# Altium PCB 2layer_PCB.PcbDoc (continued)
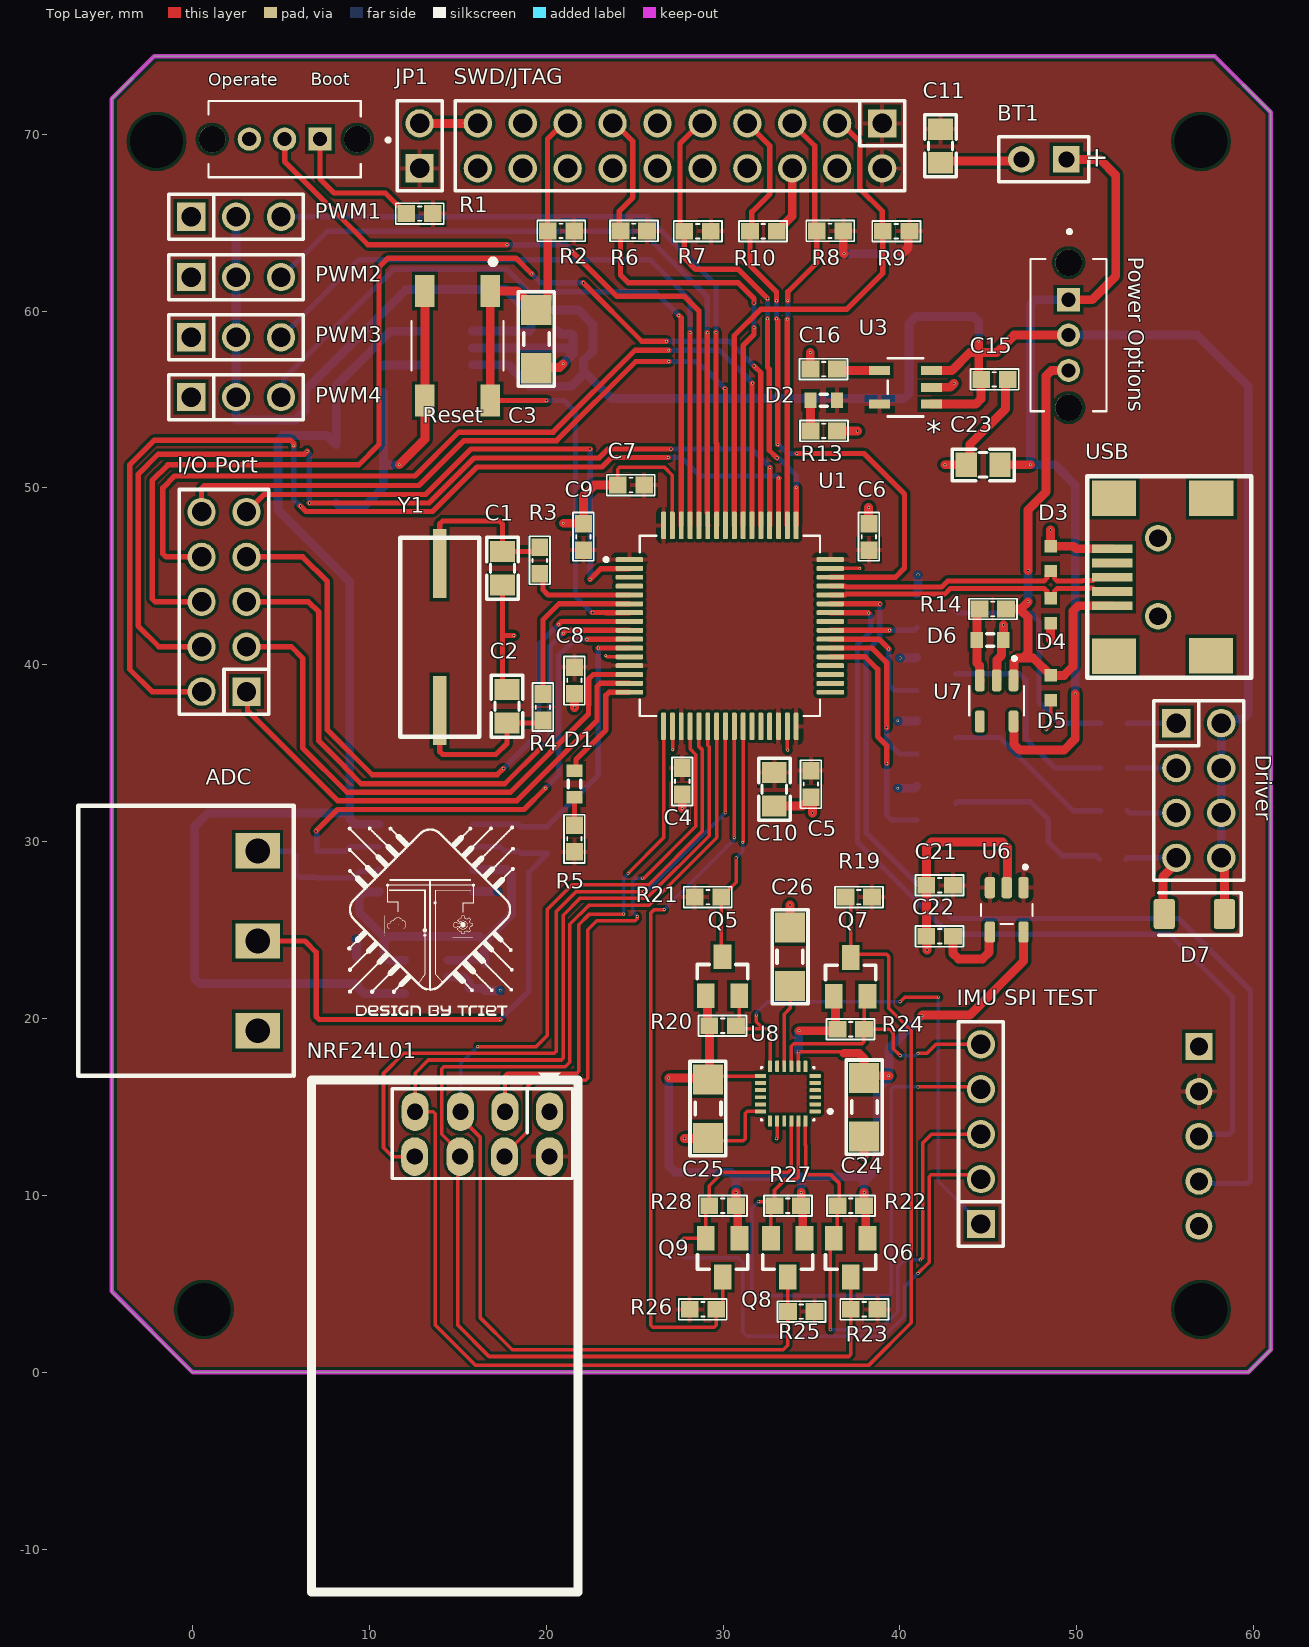
[diagram p0: Top Layer view]
## Part data
ADC: "Cắm", Chung_Loai=Cắm, Don_Vi=Con, Ma_Hang=MH000760, Ten_Linh_Kien="CON 3 2EDG5.08-3P 5.08MM ( Xanh Cong)"
Boot "Power Options": "Switch Slide ON ON SPDT Top Slide 0.1A 12VDC 10000Cycles PC Pins Thru-Hole Bulk", Package=None, Availability=Unavailable, MF="{'manufacturer': u'C&K'}", MP=OS102011MS2QN1, Price=None
BT1: "Multicell Battery", LatestRevisionDate=17-Jul-2002, LatestRevisionNote="Re-released for DXP Platform.", PackageDescription="Battery; 2 Leads", PackageReference=BAT-2, Published=24-Mar-1999, Publisher="Altium Limited"
C1 C2: library part "Tu 0805 20pF 50V 10%", "Dán", Chung_Loai=Dán, Don_Vi=Con, Ma_Hang=MH004558, So_Chan=2, Ten_Linh_Kien="Tụ 0805 20P 10% 50V"
C3 C24 C25 C26: library part "Tu 1206 104 50V 20%", "Dán", Chung_Loai=Dán, Don_Vi=Con, Ma_Hang=MH004544, So_Chan=2, Ten_Linh_Kien="Tụ 1206 104-0.1uF 20% 50V"
C4 C5 C6 C7 C8 C9: library part "Tu 0603 103 50V 10%", "Dán", Chung_Loai=Dán, Don_Vi=Con, Ma_Hang=MH004567, So_Chan=2, Ten_Linh_Kien="Tụ 0603 103-10nF 10% 50V"
C10 C11: library part "Tu 0805 225 25V 10%", "Dán", Chung_Loai=Dán, Don_Vi=Con, Ma_Hang=MH007483, So_Chan=2, Ten_Linh_Kien="Tụ 0805 225-2.2uF 25V 10%"
C12 C14: library part "Tu 0603 470pF 50V 10%", "Dán", Chung_Loai=Dán, Don_Vi=Con, Ma_Hang=MH004571, So_Chan=2, Ten_Linh_Kien="Tụ 0603 470P 50V 10%"
C13: library part "Tu 1206 105 50V 20%", "Dán", Chung_Loai=Dán, Don_Vi=Con, Ma_Hang=MH004545, So_Chan=2, Ten_Linh_Kien="Tụ 1206 105-1uF 20% 50V"
C15 C16 C17 C18 C19 C20 C21 C22: library part "Tu 0603 105 16V 20%", "Dán", Chung_Loai=Dán, Don_Vi=Con, Ma_Hang=MH004574, So_Chan=2, Ten_Linh_Kien="Tụ 0603 105-1uF 20% 16V"
C23: library part "Tu 0805 10pF 50V 10%", "Dán", Chung_Loai=Dán, Don_Vi=Con, Ma_Hang=MH004554, So_Chan=2, Ten_Linh_Kien="Tụ 0805 10P 10% 50V"
D1 D2 D6: library part Diode, "Default Diode", PackageDocument=Sep-1996, Code_JEDEC=DO-214-AB, LatestRevisionDate=17-Jul-2002, LatestRevisionNote="Re-released for DXP Platform.", PackageReference=SMC, Published=8-Jun-2000, Publisher="Altium Limited"
D3 D4 D5 U2 U6 U7: Package=None, Availability=Unavailable, Price=None
  D3 D4 D5: MF="{'manufacturer': u'TDK'}", MP=AVRL161A1R1NTA
  U2: MF="{'manufacturer': u'Texas Instruments'}", MP=OPA2335AID
  U6: MF="{'manufacturer': u'Texas Instruments'}", MP=TPS73618DBVTG4
  U7: MF="{'manufacturer': u'Analog Devices'}", MP=MAX1555EZK+
Driver: library part "JP 2x4 2.54 Duc Thang", "Cắm", Chung_Loai=Cắm, Don_Vi=Con, Ma_Hang=MH002686, Ten_Linh_Kien="Jump Đôi Đực 2.54MM 2x40P Thẳng 11MM"
"I/O Port": library part "JP 2x5 2.54 Duc Thang", "Cắm", Chung_Loai=Cắm, Don_Vi=Con, Ma_Hang=MH002686, Ten_Linh_Kien="Jump Đôi Đực 2.54MM 2x40P Thẳng 11MM"
"IMU SPI TEST": library part "JP 1x5 2.54 Duc Thang", "Cắm", Chung_Loai=Cắm, Don_Vi=Con, Ma_Hang=MH000903, Ten_Linh_Kien="Jump Đơn Đực 2.54MM 1x40P Thẳng 11MM"
JDY-18: library part "JP 1x5 2.54 Cai Cong", "Cắm", Chung_Loai=Cắm, Don_Vi=Con, Ma_Hang=MH001265, Ten_Linh_Kien="Jump Đơn Cái 2.54MM 1x40P Cong"
JP1: library part "JP 1x2 2.54 Duc Thang", "Cắm", Chung_Loai=Cắm, Don_Vi=Con, Ma_Hang=MH000903, Ten_Linh_Kien="Jump Đơn Đực 2.54MM 1x40P Thẳng 11MM"
PWM1 PWM2 PWM3 PWM4: library part "JP 1x3 2.54 Duc Thang", "Cắm", Chung_Loai=Cắm, Don_Vi=Con, Ma_Hang=MH000903, Ten_Linh_Kien="Jump Đơn Đực 2.54MM 1x40P Thẳng 11MM"
Q1 Q2 Q3 Q4 Q5 Q6 Q7 Q8 Q9: "<b>N-Channel MOSFET</b>    <a href=\"https://pricing.snapeda.com/parts/SI2312/Micro%20Commercial%20Components/view-part?ref=eda\">Check availability</a> <a href=\"https://pricing.snapeda.com/parts/SI2312/Micro%20Commercial%20Components/view-part?ref=eda\">Check availability</a>", Package=None, Availability=Unavailable, MF="{'manufacturer': u'Micro Commercial Components'}", MP=SI2312-TP, Price=None
R1 R2: library part "Tro 0603 1% 10k", "Dán", Chung_Loai=Dán, Don_Vi=Con, Ma_Hang=MH006333, So_Chan=2, Ten_Linh_Kien="Trở 0603 1% 10k"
R3 R4: library part "Tro 0603 1% 0R", "Dán", Chung_Loai=Dán, Don_Vi=Con, Ma_Hang=MH005792, So_Chan=2, Ten_Linh_Kien="Trở 0603 1% 0R"
R5 R14: library part "Tro 0603 1% 1k", "Dán", Chung_Loai=Dán, Don_Vi=Con, Ma_Hang=MH006334, So_Chan=2, Ten_Linh_Kien="Trở 0603 1% 1k"
R6 R7 R8 R9 R10: library part "Tro 0603 5% 4.7k", "Dán", Chung_Loai=Dán, Don_Vi=Con, Ma_Hang=MH006327, So_Chan=2, Ten_Linh_Kien="Trở 0603 5% 4.7k"
R11 R12: library part "Tro 0603 1% 3.9k", "Dán", Chung_Loai=Dán, Don_Vi=Con, Ma_Hang=MH005793, So_Chan=2, Ten_Linh_Kien="Trở 0603 1% 3.9k"
R13: library part "Tro 0603 5% 1k", "Dán", Chung_Loai=Dán, Don_Vi=Con, Ma_Hang=MH006319, So_Chan=2, Ten_Linh_Kien="Trở 0603 5% 1k"
R15 R16 R17 R18: library part "Tro 0603 5% 220R", "Dán", Chung_Loai=Dán, Don_Vi=Con, Ma_Hang=MH006322, So_Chan=2, Ten_Linh_Kien="Trở 0603 5% 220R"
R19 R20 R21 R22 R23 R24 R25 R26 R27 R28: library part "Tro 0603 5% 2.2k", "Dán", Chung_Loai=Dán, Don_Vi=Con, Ma_Hang=MH006321, So_Chan=2, Ten_Linh_Kien="Trở 0603 5% 2.2k"
Reset: "Switch Tactile N.O. SPST Button Gull Wing 0.05A 12VDC 0.98N SMD T/R", Package=None, Availability=Unavailable, MF="{'manufacturer': u'ALPS'}", MP=SKQGAFE010, Price=None
SWD/JTAG: library part "JP 2x10 2.54 Duc Thang", "Cắm", Chung_Loai=Cắm, Don_Vi=Con, Ma_Hang=MH002686, Ten_Linh_Kien="Jump Đôi Đực 2.54MM 2x40P Thẳng 11MM"
U1: "MCU 32-Bit STM32 ARM Cortex M4 RISC 512KB Flash 2.5V/3.3V 64-Pin LQFP Tray", Package=None, Availability=Unavailable, MF="{'manufacturer': u'STMicroelectronics'}", MP=STM32F446RET6, Price=None
U3 U5: "No Description Available", Mfr_Name="Texas Instruments", RefDes=RefDes, Type=Type
U4: "Micropower, 400mV Reference with Rail-to-Rail Buffer Amplifier", Package=None, Availability=Unavailable, MF="{'manufacturer': u'Analog Devices'}", MP=LT6650IS5#TRPBF, Price=None
U8: "Accelerometer, Gyroscope, Magnetometer, 9 Axis Sensor IÂ²C, SPI Output", Package=None, Availability=Unavailable, MF="{'manufacturer': u'TDK InvenSense'}", MP=ICM-20948, Price=None
Y1: library part "Crystal 16MHz 20pF 2-Pin", "Crystal 16MHz 20pF 2-Pin HC-49/SD", Package="HC49/US Fox", Digi-Key_Part_Number=631-1017-2-ND, Digi-Key_Purchase_URL=https://www.digikey.tw/product-detail/en/fox-electronics/FC4SDCBMF16.0-T1/631-1017-2-ND/1024609?utm_source=snapeda&utm_medium=aggregator&utm_campaign=symbol, MF=Fox, MP=FOXSDLF/160-20, SnapEDA_Link=https://www.snapeda.com/parts/FOXSDLF/160-20/Fox%20Electronics/view-part/?ref=snap
D7: Datasheet=https://diotec.com/de/produktliste/SBD.html, ki_description="Schottky Diode", ki_keywords=Schottky, Reference=D

## Free pads (board coordinates)
  round 1.524 hole 3: 3(57.023,69.596) 4(57.023,3.556) 5(0.635,3.556) 6(-2.032,69.596)

## Via types
v1: diameter 0.15, hole 0.1, Top Layer to Bottom Layer, 122 vias

## Nets (pads, with @x,y where several pads share a name; then routed paths per layer and width w, separated by ;. In a path a pad name is that pad's centre, name@x,y a point inside that pad or via, vN(x,y) a via of type N, cw(c..) or ccw(c..) an arc to the next point about the centre after c; other vN are vias at no path point)
0.4V: C18.1 U2.3 U2.5 U4.1 U4.5 | length 22.5
  Bottom Layer w0.5: U2.5 10.51,27.15 9.719,27.15 9.426,26.857 9.426,26.007 10.795,24.638 11.107,24.638 ; U4.5 11.985,23.296 11.107,23.296 10.814,23.589 10.814,24.345 11.107,24.638 ; U4.1 14.431,23.296 15.422,23.296 15.494,23.368 16.244,23.368 16.26,23.352 16.285,23.352 C18.1@16.51,23.127 ; U2.3 15.905,28.421 17.741,28.421 18.034,28.128 18.034,25.869 16.51,24.345 ; C18.1 C18.1@16.51,23.127 ; 11.107,24.638 16.217,24.638 16.51,24.345 ; C18.1@16.51,23.127 16.51,24.345
+1.8V: C24.1 C25.1 Q5.1 Q6.1 Q7.1 Q8.1 Q9.1 R20.2 R22.2 R24.2 R27.2 R28.2 U6.5 U8.8 U8.13 | length 69.1
  Top Layer w0.2: C25.1 29.222,16.635 29.335,16.748 U8.13 ; U8.8 v1(34.255,18.129) 36.735,18.129 36.83,18.034
  Top Layer w0.5: v1(26.924,16.637) 29.061,16.637 C25.1 ; Q5.1 29.119,21.189 29.119,19.696 R20.2 C25.1@29.222,16.635 ; v1(30.734,10.16) 30.734,9.425 R28.2 30.822,9.313 30.822,7.68 Q9.1 ; v1(34.29,19.304) 36.376,19.304 R24.2 36.361,19.489 36.361,21.152 Q7.1 ; v1(34.417,10.16) 34.417,9.425 R27.2 34.505,9.313 34.505,7.68 Q8.1 ; 36.83,18.034 37.68,18.034 37.973,17.741 C24.1 38.101,16.764 v1(39.37,16.764) ; v1(37.973,10.16) 37.973,9.425 R22.2 38.061,9.313 38.061,7.68 Q6.1 ; v1(41.243,20.161) 41.275,20.193 43.942,20.193 46.985,23.236 U6.5
  Bottom Layer w0.5: v1(26.924,16.637) 26.924,11.684 27.305,11.303 30.441,11.303 30.734,11.01 ; v1(30.734,10.16) 30.734,11.049 34.124,11.049 ; v1(34.255,18.129) 34.255,19.269 v1(34.29,19.304) ; v1(34.417,10.16) 34.417,10.756 34.124,11.049 ; v1(37.973,10.16) 37.973,10.795 ; v1@41.243,20.161 39.37,18.288 39.37,16.631 38.735,15.996 38.735,11.557 37.973,10.795 ; 34.124,11.049 37.973,11.049 37.973,10.795
+3.3V_STM32: C4.1 C5.1 C6.1 C7.1 C8.1 C9.1 C10.1 C11.1 C21.1 D2.1 JDY-18.2 JP1.1 NRF24L01.2 R1.2 R2.2 R5.2 R6.2 R7.2 R8.2 R9.2 R19.2 R21.2 R23.2 R25.2 R26.2 SWD/JTAG.1 SWD/JTAG.20 U1.1 U1.13 U1.19 U1.30 U1.32 U1.48 U1.64 U3.5 U6.1 U6.3 | length 6
  Top Layer w0.5: R8.2 36.795,63.281 v1(36.83,63.246) ; v1(40.132,63.246) 40.47,63.584 40.47,64.453 R9.2
  Bottom Layer w0.5: v1(36.83,63.246) v1(40.132,63.246)
+5V: "Power Options.2" C15.1 C19.1 D7.K Driver.5 Driver.6 Driver.7 Driver.8 PWM1.2 PWM2.2 PWM3.2 PWM4.2 U3.1 U3.3 U5.1 U5.3 | length 136.5
  Top Layer w0.5: U3.1 44.284,54.737 44.577,55.03 44.577,56.122 C15.1 44.45,56.273 44.45,57.658 ; U3.3 42.921,56.637 43.942,57.658 44.45,57.658 ; v1(44.45,58.293) 44.45,57.658 ; 49.53,58.642 46.45,58.642 45.466,57.658 44.45,57.658 ; Driver.5 58.342,28.907 D7.K
  Bottom Layer w0.5: PWM1.2 PWM2.2 PWM3.2 PWM4.2 2.452,55.129 2.452,53.848 5.842,53.848 6.35,54.356 6.35,55.499 12.065,61.214 17.702,61.214 19.138,59.778 ; U5.3 17.841,56.962 19.05,55.753 21.424,55.753 22.098,56.427 22.098,57.207 22.632,57.742 22.632,59.244 21.805,60.071 19.431,60.071 19.138,59.778 ; U5.1 15.822,58.866 19.047,58.866 C19.1 19.138,58.957 19.138,59.778 ; 22.098,56.642 23.692,55.048 40.22,55.048 40.513,55.341 40.513,59.309 40.894,59.69 44.157,59.69 44.45,59.397 v1(44.45,58.293) ; 49.53,58.642 56.801,58.642 59.69,55.753 59.69,37.25 59.359,36.918 58.381,36.918 Driver.8 Driver.7 Driver.6 Driver.5
+AVCC: C13.1 C17.1 U2.8 U4.4 U5.5 | length 67.8
  Bottom Layer w0.5: U2.8 9.183,30.988 8.89,31.281 8.89,31.623 ; U4.4 9.691,21.412 9.398,21.705 9.398,21.856 C17.1 9.259,21.971 0.42,21.971 0.127,22.264 0.127,30.861 0.889,31.623 8.89,31.623 ; U5.5 11.181,58.862 10.143,57.824 8.128,55.809 C13.1 7.619,52.959 5.119,52.959 4.826,52.666 4.826,48.768 8.89,44.704 8.89,31.623
+V_Bat: "Power Options.1" BT1.1 C23.1 U7.5 | length 47.7
  Top Layer w0.5: C23.1 45.653,51.308 v1(47.371,51.308) ; U7.5 46.441,36.771 46.441,35.513 46.775,35.179 49.276,35.179 49.911,35.814 v1(49.911,38.354) ; BT1.1 51.308,68.58 52.197,67.691 52.197,61.976 50.863,60.642 49.53,60.642
  Bottom Layer w0.5: 49.53,60.642 47.664,60.642 47.371,60.349 v1(47.371,51.308) 48.768,51.308 49.911,50.165 v1(49.911,38.354)
+V_USB: "Power Options.3" D5.1 R14.2 U7.1 USB.1 | length 29.6
  Top Layer w0.5: R14.2 46.839,43.156 v1(47.244,43.561) ; U7.1 46.441,39.141 46.441,40.179 46.648,40.386 46.951,40.386 ; 46.863,43.053 47.244,42.672 47.244,40.679 46.951,40.386 ; v1(47.244,45.339) 47.244,48.768 48.26,49.784 48.26,56.341 48.553,56.634 49.522,56.634 49.53,56.642 ; USB.1 50.077,43.343 49.784,43.05 49.784,39.913 49.275,39.403 D5.1 47.531,40.386 46.951,40.386
  Bottom Layer w0.5: v1(47.244,43.561) v1(47.244,45.339)
Boot: Boot.2 U1.60 | length 40.3
  Top Layer w0.3: Boot.2 5.207,68.453 9.906,63.754 v1(17.78,63.754) ; v1(21.463,63.373) 24.003,60.833 27.813,60.833 28.631,60.015 U1.60
  Bottom Layer w0.3: v1(17.78,63.754) 21.082,63.754 v1(21.463,63.373)
GND: ADC.1 Boot.3 BT1.2 C1.2 C2.2 C3.2 C4.2 C5.2 C6.2 C7.2 C8.2 C9.2 C10.2 C11.2 C13.2 C15.2 C16.2 C17.2 C18.2 C19.2 C20.2 C21.2 C22.2 C23.2 C24.2 C25.2 C26.2 D3.2 D4.2 D5.2 D6.2 JDY-18.1 NRF24L01.1 pad.3 pad.4 pad.5 pad.6 PWM1.1 PWM2.1 PWM3.1 PWM4.1 Q1.2 Q2.2 Q3.2 Q4.2 R10.1 R13.2 Reset.3 Reset.4 SWD/JTAG.11 SWD/JTAG.12 SWD/JTAG.13 SWD/JTAG.14 SWD/JTAG.15 SWD/JTAG.16 SWD/JTAG.17 SWD/JTAG.18 SWD/JTAG.19 U1.12 U1.18 U1.31 U1.47 U1.63 U2.4 U3.2 U4.2 U5.2 U6.2 U7.2 U8.18 U8.20 USB.5 | length 122.2
  Top Layer w0.2: v1(23.368,40.513) 23.432,40.449 U1.12 ; C7.2 24.037,51.064 24.154,51.181 26.67,51.181 27.131,50.72 U1.63 ; U1.18 27.156,36.494 v1(27.156,35.201) ; C25.2 29.317,13.081 31.125,13.081 31.242,13.198 31.242,14.631 31.359,14.748 U8.18 ; v1(33.02,13.208) 33.055,13.243 U8.20 ; U1.31 33.631,35.203 v1(33.655,35.179) ; U1.47 36.064,45.446 37.706,45.446 v1(37.72,45.46) ; v1(48.26,36.322) 48.514,36.576 D5.2
  Top Layer w0.3: C1.2 17.523,41.656 ; C2.2 17.523,38.865 17.523,41.656 ; v1(18.161,41.656) 17.523,41.656
  Top Layer w0.5: v1(11.684,51.308) 13.136,52.76 Reset.4 Reset.3 ; C3.2 19.468,56.806 20.738,56.806 v1(20.955,57.023) ; v1(20.955,48.006) 22.074,48.006 C9.2 22.098,49.53 22.733,50.165 C7.2 ; v1(21.59,37.592) C8.2 ; v1(27.686,31.877) C4.2 ; v1(27.813,13.208) 29.095,13.208 C25.2 ; C10.2 34.483,32.009 34.961,32.487 C5.2 35.052,32.421 v1(35.052,31.623) ; R10.1 33.048,64.516 33.909,65.377 SWD/JTAG.18 ; C26.2 v1(33.782,26.416) ; v1(34.925,57.658) 34.925,56.733 C16.2 ; R13.2 37.582,53.223 v1(37.592,53.213) ; v1(37.973,12.192) C24.2 ; v1(38.227,48.895) 38.227,47.999 C6.2 ; v1(41.529,23.876) 41.529,24.611 C22.2 C21.2 41.493,29.679 41.786,29.972 45.787,29.972 46.08,29.679 46.08,27.447 U6.2 ; U3.2 41.787,55.691 42.834,55.691 v1(43.058,55.916) ; C11.2 42.384,68.484 46.767,68.484 BT1.2 ; v1(42.545,51.308) 42.548,51.311 C23.2 43.956,51.518 43.956,52.465 45.974,54.483 45.974,56.019 C15.2 ; U7.2 45.491,39.141 45.491,40.284 45.747,40.54 45.747,41.302 D6.2 v1(45.847,42.253) ; D4.2 48.514,41.424 v1(48.536,41.402) ; v1(48.514,47.625) D3.2 49.816,46.704 49.957,46.563 USB.5
  Bottom Layer w0.5: C13.2 8.256,49.022 9.779,49.022 10.795,50.038 10.795,51.308 ; C17.2 v1(9.271,24.511) ; C20.2 10.795,51.308 ; v1(11.684,51.308) 10.795,51.308 ; U4.2 15.328,22.352 15.621,22.059 15.621,21.713 16.399,21.713 C18.2 16.522,21.59 v1(17.399,21.59) ; U5.2 21.185,57.912 21.514,57.582 ; U2.4 v1(17.272,27.178) ; C19.2 20.803,58.707 21.424,58.707 21.514,58.617 21.514,57.582 ; v1(20.955,57.023) 21.514,57.582 ; v1(39.878,33.02) 40.842,33.02 Q3.2 ; v1(39.878,36.83) 40.936,36.83 Q4.2 ; v1(40.005,40.386) 40.89,40.386 Q2.2 ; Q1.2 41.021,44.078 v1(41.021,45.085)
IMU_CS: Q9.3 R26.1 U1.25 | length 42.8
  Top Layer w0.2: v1(26.67,26.162) 26.104,26.162 25.908,25.966 25.908,2.657 26.025,2.54 29.495,2.54 29.612,2.657 R26.1 29.972,3.916 Q9.3 ; v1(30.631,30.228) U1.25
  Bottom Layer w0.2: v1(26.67,26.162) 30.631,30.123 v1(30.631,30.228)
IMU_INT: Q5.3 R21.1 U1.26 | length 13.6
  Top Layer w0.2: Q5.3 29.893,23.565 R21.1 29.918,26.865 30.293,27.24 30.293,27.265 30.734,27.706 v1(30.734,29.083) ; v1(31.115,29.972) 31.131,29.988 U1.26
  Bottom Layer w0.2: v1(30.734,29.083) 31.115,29.464 v1(31.115,29.972)
IMU_MISO: "IMU SPI TEST.5" Q7.2 R24.1 U8.9 | length 16.2
  Top Layer w0.2: U8.9 33.855,18.425 33.992,18.562 37.844,18.562 37.961,18.679 R24.1 ; Q7.2@38.161,21.052 Q7.2 37.973,21.064 37.973,19.401 R24.1 ; v1(40.005,17.907) 39.624,18.288 39.624,19.177 39.412,19.389 R24.1 ; v1(41.021,18.034) 41.529,18.034 42.037,18.542 44.577,18.542
  Bottom Layer w0.2: v1(40.005,17.907) 40.894,17.907 v1(41.021,18.034)
IMU_MOSI: "IMU SPI TEST.3" Q6.2 R22.1 U8.24 | length 31.9
  Top Layer w0.2: U8.24 34.655,12.843 34.671,12.827 34.671,11.293 34.788,11.176 36.068,11.176 36.576,10.668 36.576,9.528 R22.1 36.461,7.78 Q6.2 36.068,7.387 v1(36.068,2.413) ; v1(41.148,6.35) 41.275,6.477 41.275,12.954 41.783,13.462 44.577,13.462
  Bottom Layer w0.2: v1(36.068,2.413) 38.862,2.413 39.878,3.429 39.878,5.969 40.259,6.35 v1(41.148,6.35)
IMU_SCK: "IMU SPI TEST.4" Q8.2 R27.1 U8.23 | length 38.7
  Top Layer w0.2: v1(32.004,9.652) 32.505,9.652 32.805,9.352 R27.1@32.805,9.313 ; Q8.2@32.512,7.681 32.705,7.874 32.705,9.213 R27.1@32.805,9.313 ; U8.23 34.255,11.039 34.138,10.922 33.528,10.922 32.905,10.299 R27.1 R27.1@32.805,9.313 ; v1(41.021,16.129) 44.45,16.129 44.577,16.002
  Bottom Layer w0.2: v1(32.004,9.652) 31.623,9.271 31.623,4.435 31.74,4.318 39.38,4.318 39.497,4.435 39.497,16.012 39.614,16.129 v1(41.021,16.129)
INPUT_1: ADC.3 C14.2 R12.1 U2.6 | length 8.3
  Bottom Layer w0.3: ADC.3 3.696,29.464 5.588,29.464 5.842,29.21 5.842,28.164 6.018,27.989 7.005,27.989 7.054,27.94 R12.1 9.095,27.94 9.271,28.116 9.271,28.145 9.447,28.321 10.411,28.321 U2.6
INPUT_2: ADC.2 C12.2 R11.1 U2.2 | length 32.5
  Top Layer w0.3: ADC.2 6.35,24.384 6.985,23.749 6.985,20.115 7.161,19.939 v1(17.399,19.939)
  Bottom Layer w0.3: U2.2 17.399,29.718 17.653,29.464 18.427,29.464 C12.2 R11.1 20.066,29.324 19.014,28.272 19.014,21.554 v1(17.399,19.939)
LED1: Driver.1 R15.2 | length 2.8
  Bottom Layer w0.3: R15.2 Driver.1
LED2: Driver.2 R16.2 | length 2.8
  Bottom Layer w0.3: R16.2 Driver.2
LED3: Driver.3 R18.2 | length 2.8
  Bottom Layer w0.3: R18.2 52.972,31.623 Driver.3
NetBoot1_1: Boot.1 R1.1 | length 7.9
  Top Layer w0.3: Boot.1 7.207,67.469 8.001,66.675 10.895,66.675 12.06,65.51 R1.1
NetC1_1: C1.1 R3.2 Y1.1 | length 9.7
  Top Layer w0.3: Y1.1 13.97,47.957 14.146,48.133 17.35,48.133 17.526,47.957 17.526,46.415 C1.1 19.397,46.412 R3.2
NetC2_1: C2.1 R4.1 Y1.2 | length 9.7
  Top Layer w0.3: Y1.2 13.97,35.101 14.146,34.925 17.145,34.925 17.78,35.56 C2.1 19.666,36.708 R4.1
NetC16_1: C16.1 U3.4 | length 2.4
  Top Layer w0.5: C16.1 36.521,56.637 U3.4
NetC20_1: C20.1 U5.4 | length 2.1
  Bottom Layer w0.5: C20.1 10.857,56.958 12.88,56.958 U5.4
NetC22_1: C22.1 U6.4 | length 4.5
  Top Layer w0.5: C22.1 42.993,23.682 43.307,23.368 44.665,23.368 45.04,23.743 45.04,24.847 U6.4
NetC26_1: C26.1 U8.10 | length 4.7
  Top Layer w0.2: U8.10 33.455,20.247 33.782,20.574 C26.1
NetD1_1: D1.1 R5.1 | length 1.6
  Top Layer w0.3: R5.1 D1.1
NetD1_2: D1.2 U1.16 | length 6.4
  Top Layer w0.3: D1.2 21.682,34.104 21.682,34.636 23.368,36.322 23.368,38.273 23.544,38.449 U1.16
NetD2_2: D2.2 R13.1 | length 1.7
  Top Layer w0.5: R13.1 D2.2
NetD6_1: D6.1 R14.1 U7.3 | length 4.2
  Top Layer w0.5: R14.1 44.347,43.009 44.347,40.108 44.491,39.964 44.491,39.141 U7.3
NetJP1_2: JP1.2 SWD/JTAG.10 | length 3.3
  Top Layer w0.5: JP1.2 SWD/JTAG.10
NetQ1_3: Q1.3 R15.1 | length 13.5
  Bottom Layer w0.3: Q1.3 43.273,42.926 47.371,42.926 47.879,42.418 47.879,37.846 49.022,36.703 R15.1
NetQ2_3: Q2.3 R16.1 | length 12.3
  Bottom Layer w0.3: Q2.3 46.741,39.492 47.117,39.116 47.117,35.814 48.768,34.163 R16.1
NetQ3_3: Q3.3 R17.1 | length 10.3
  Bottom Layer w0.3: Q3.3 43.23,32.258 47.371,32.258 48.387,31.242 48.387,29.972 49.149,29.21 51.072,29.21 R17.1
NetQ4_3: Q4.3 R18.1 | length 9.9
  Bottom Layer w0.3: Q4.3 45.643,35.891 49.784,31.75 R18.1
NRF24_CE: NRF24L01.3 U1.17 | length 28.9
  Top Layer w0.2: NRF24L01.3 17.666,16.774 17.783,16.891 21.727,16.891 21.844,17.008 21.844,25.309 22.443,25.908 v1(24.384,25.908) ; v1(24.625,28.207) 26.631,30.213 U1.17
  Bottom Layer w0.2: v1(24.384,25.908) 24.384,27.94 24.625,28.181 v1(24.625,28.207)
NRF24_CSN: NRF24L01.4 U1.20 | length 32.4
  Top Layer w0.2: NRF24L01.4 17.64,12.306 18.923,13.589 18.923,16.129 19.304,16.51 22.235,16.51 22.352,16.627 22.352,25.019 22.86,25.527 25.029,25.527 25.146,25.644 v1(25.146,25.768) ; v1(25.432,27.94) 25.527,27.94 28.451,30.864 28.451,34.922 28.131,35.242 U1.20
  Bottom Layer w0.2: v1(25.146,25.768) 24.892,26.022 24.892,27.823 25.009,27.94 v1(25.432,27.94)
NRF24_INT: NRF24L01.8 U1.24 | length 41.1
  Top Layer w0.2: NRF24L01.8 11.303,12.192 10.795,12.7 10.795,16.891 11.938,18.034 20.457,18.034 20.574,18.151 20.574,26.064 21.688,27.178 25.517,27.178 v1(25.524,27.184) ; v1(30.131,31.646) U1.24
  Bottom Layer w0.2: v1(25.524,27.184) 25.669,27.184 v1(30.131,31.646)
NRST: C3.1 R2.1 Reset.1 Reset.2 SWD/JTAG.8 U1.7 | length 39.6
  Top Layer w0.3: Reset.2 v1(20.014,54.939) ; R2.1 20.066,64.546 20.066,69.723 20.955,70.612 SWD/JTAG.8 ; v1(22.606,42.962) 23.332,42.962 23.345,42.949 U1.7
  Top Layer w0.5: Reset.2 Reset.1 18.361,61.139 C3.1 20.081,60.719 R2.1
  Bottom Layer w0.3: v1(20.014,54.939) 21.007,54.939 21.653,54.292 21.653,43.878 22.57,42.962 v1(22.606,42.962)
OSC_IN: R3.1 U1.5 | length 6
  Top Layer w0.3: R3.1 19.812,44.966 19.812,44.241 20.104,43.949 U1.5
OSC_OUT: R4.2 U1.6 | length 9.5
  Top Layer w0.3: R4.2 19.812,42.545 20.716,43.449 U1.6
PA0: "I/O Port.2" U1.14 | length 31.9
  Top Layer w0.3: 3.048,41.021 5.588,41.021 6.223,40.386 6.223,35.306 8.733,32.796 17.967,32.796 22.382,37.212 22.382,37.72 22.393,37.73 22.393,39.187 22.655,39.449 U1.14
PA1: "I/O Port.1" U1.15 | length 28.7
  Top Layer w0.3: 3.048,38.481 3.106,38.423 3.106,37.407 8.195,32.318 18.348,32.318 22.871,36.841 22.871,38.773 23.046,38.949 U1.15
PB5: "I/O Port.6" U1.57 | length 42.3
  Top Layer w0.3: 0.508,48.641 0.508,49.959 0.684,50.135 12.797,50.135 15.337,52.675 20.585,52.675 25.06,57.15 v1(26.924,57.15) ; v1(30.099,55.626) 30.131,55.594 U1.57
  Bottom Layer w0.3: v1(26.924,57.15) 28.462,57.15 28.798,56.813 28.912,56.813 v1(30.099,55.626)
PB6: PWM1.3 U1.58 | length 39.8
  Top Layer w0.3: v1(29.591,58.801) 29.591,52.557 29.631,52.517 U1.58
  Bottom Layer w0.3: PWM1.3 25.726,65.333 29.591,61.468 v1(29.591,58.801)
PB7: PWM2.3 U1.59 | length 39.7
  Top Layer w0.3: v1(29.109,58.771) 29.109,48.582 29.121,48.57 29.121,47.889 U1.59
  Bottom Layer w0.3: PWM2.3 5.028,61.924 7.62,64.516 25.4,64.516 29.109,60.807 v1(29.109,58.771)
PB8: PWM3.3 U1.61 | length 38.6
  Top Layer w0.3: U1.61 v1(28.131,58.771)
  Bottom Layer w0.3: PWM3.3 9.38,62.895 25.878,62.895 28.131,60.642 v1(28.131,58.771)
PB9: PWM4.3 U1.62 | length 39
  Top Layer w0.3: v1(27.495,59.754) 27.631,59.618 U1.62
  Bottom Layer w0.3: PWM4.3 5.15,55.288 5.15,56.156 11.352,62.357 17.78,62.357 19.05,61.087 26.162,61.087 v1(27.495,59.754)
PC0: "I/O Port.4" U1.8 | length 38.2
  Top Layer w0.3: 3.048,46.101 6.223,46.101 7.62,44.704 7.62,36.322 10.16,33.782 17.223,33.782 v1(17.574,34.133) ; v1(20.701,42.291) 20.859,42.449 U1.8
  Bottom Layer w0.3: v1(17.574,34.133) 19.588,36.147 19.588,41.178 v1(20.701,42.291)
PC1: "I/O Port.3" U1.9 | length 36.8
  Top Layer w0.3: 3.048,43.561 6.555,43.561 7.142,42.974 7.142,35.687 8.636,34.193 8.636,34.163 9.525,33.274 17.653,33.274 v1(19.685,35.306) ; v1(20.955,41.783) 21.121,41.949 U1.9
  Bottom Layer w0.3: v1(19.685,35.306) 20.193,35.814 20.193,41.021 v1(20.955,41.783)
PC2: C14.1 R12.2 U1.10 U2.7 | length 30.9
  Top Layer w0.3: v1(6.985,30.607) 8.192,31.814 18.733,31.814 v1(19.939,33.02) ; v1(22.305,41.449) U1.10
  Bottom Layer w0.3: v1(6.985,30.607) 7.028,30.564 C14.1 8.611,29.465 R12.2 8.914,29.718 U2.7 ; v1(19.939,33.02) 20.701,33.782 20.701,40.513 21.637,41.449 v1(22.305,41.449)
PC3: C12.1 R11.2 U1.11 U2.1 | length 17.3
  Top Layer w0.3: v1(22.932,40.949) U1.11
  Bottom Layer w0.3: U2.1 18.403,30.988 C12.1 R11.2 20.066,30.874 22.932,33.74 v1(22.932,40.949)
PC6: Q3.1 U1.37 | length 13.2
  Top Layer w0.3: U1.37 38.037,40.449 38.735,39.751 38.735,35.941 39.243,35.433 v1(39.243,34.417)
  Bottom Layer w0.3: v1(39.243,34.417) 39.243,31.496 39.515,31.224 Q3.1
PC7: Q4.1 U1.38 | length 10
  Top Layer w0.3: U1.38 38.426,40.949 39.243,40.132 v1(39.243,36.449)
  Bottom Layer w0.3: v1(39.243,36.449) 39.243,35.687 39.972,34.958 40.93,34.958 Q4.1
PC8: Q2.1 U1.39 | length 7.3
  Top Layer w0.3: U1.39 38.815,41.449 v1(39.37,40.894)
  Bottom Layer w0.3: v1(39.37,40.894) 39.37,38.862 39.69,38.542 Q2.1
PC9: Q1.1 U1.40 | length 4.9
  Top Layer w0.3: U1.40 v1(39.409,41.949)
  Bottom Layer w0.3: v1(39.409,41.949) 40.792,41.949 Q1.1
PC10: "I/O Port.10" U1.51 | length 61.4
  Top Layer w0.3: 0.508,38.481 -2.286,38.481 -3.556,39.751 -3.556,51.308 -2.159,52.705 5.539,52.705 5.715,52.529 v1(5.715,52.381) ; v1(6.096,48.981) 6.406,48.671 13.574,48.671 16.083,51.181 23.155,51.181 23.693,51.719 v1(26.894,51.719) ; U1.51 33.131,50.53 v1(33.147,50.546)
  Bottom Layer w0.3: v1(5.715,52.381) 5.715,49.362 v1(6.096,48.981) ; v1(26.894,51.719) 27.656,51.719 28.702,50.673 33.02,50.673 v1(33.147,50.546)
PC11: "I/O Port.9" U1.52 | length 56.7
  Top Layer w0.3: 0.508,41.021 -1.905,41.021 -3.078,42.194 -3.078,50.77 -1.945,51.903 6.31,51.903 v1(6.477,52.07) ; v1(6.604,49.149) 13.376,49.149 15.916,51.689 22.987,51.689 23.495,52.197 v1(27.051,52.197) ; U1.52 32.639,47.887 v1(32.639,51.151)
  Bottom Layer w0.3: v1(6.477,52.07) 6.604,51.943 v1(6.604,49.149) ; v1(27.051,52.197) 31.623,52.197 32.639,51.181 v1(32.639,51.151)
PC12: "I/O Port.8" U1.53 | length 66.4
  Top Layer w0.3: 0.508,43.561 -2.11,43.561 -2.286,43.737 -2.286,50.419 -1.397,51.308 9.398,51.308 10.541,52.451 10.541,62.484 11.049,62.992 18.288,62.992 v1(19.177,62.103) ; v1(22.098,61.595) 25.4,58.293 v1(26.797,58.293) ; v1(31.75,56.896) 32.131,56.515 U1.53
  Bottom Layer w0.3: v1(19.177,62.103) 19.685,61.595 v1(22.098,61.595) ; v1(26.797,58.293) 30.353,58.293 v1(31.75,56.896)
PC13: "I/O Port.5" U1.2 | length 30.7
  Top Layer w0.3: 3.048,48.641 4.034,49.627 13.178,49.627 15.748,52.197 v1(22.479,52.197) ; v1(22.479,44.831) 23.087,45.439 24.691,45.439 U1.2
  Bottom Layer w0.3: v1(22.479,44.831) v1(22.479,52.197)
PD2: "I/O Port.7" U1.54 | length 51.4
  Top Layer w0.3: 0.508,46.101 -1.505,46.101 -1.681,46.277 -1.681,50.008 -1.016,50.673 12.573,50.673 15.053,53.153 20.387,53.153 25.019,57.785 v1(26.924,57.785) ; U1.54 31.631,55.888 31.653,55.91 v1(31.653,55.918)
  Bottom Layer w0.3: v1(26.924,57.785) 29.794,57.785 31.653,55.925 v1(31.653,55.918)
S_IMU_CS: "IMU SPI TEST.2" Q9.2 R28.1 U8.22 | length 41.8
  Top Layer w0.2: v1(27.686,7.493) 27.773,7.58 Q9.2 29.022,9.213 R28.1 29.222,10.553 29.972,11.303 33.665,11.303 33.855,11.493 U8.22 ; v1(41.021,5.588) 41.656,6.223 41.656,11.059 41.773,11.176 44.323,11.176 44.577,10.922
  Bottom Layer w0.2: v1(27.686,7.493) 27.686,6.604 27.813,6.477 30.861,6.477 31.115,6.223 31.115,2.286 31.369,2.032 39.116,2.032 40.256,3.172 40.256,4.823 v1(41.021,5.588)
S_IMU_INT: "IMU SPI TEST.1" Q5.2 R20.1 U8.12 | length 31.4
  Top Layer w0.2: Q5.2 30.915,19.786 R20.1 30.884,19.431 32.258,19.431 ; v1(31.877,20.193) 31.877,19.812 32.258,19.431 ; U8.12 32.655,19.298 32.522,19.431 32.258,19.431 ; v1(40.005,20.955) 40.259,21.209 v1(42.164,21.209)
  Bottom Layer w0.2: v1(31.877,20.193) 31.877,20.32 32.512,20.955 v1(40.005,20.955) ; v1(42.164,21.209) 42.164,10.795 44.577,8.382
SPI_MISO: NRF24L01.7 Q7.3 R19.1 U1.22 | length 104.3
  Top Layer w0.2: U1.22 29.131,35.439 29.21,35.36 29.21,30.336 25.664,26.791 21.902,26.791 20.955,25.843 20.955,17.77 20.838,17.653 13.335,17.653 12.586,16.904 NRF24L01.7 13.599,14.732 13.716,14.615 13.716,2.667 15.978,0.405 38.251,0.405 40.64,2.794 40.64,19.304 39.37,20.574 39.37,23.505 39.253,23.622 37.381,23.622 Q7.3 37.211,26.57 R19.1
SPI_MOSI: NRF24L01.6 Q6.3 R23.1 U1.23 | length 73
  Top Layer w0.2: 14.986,11.049 14.986,2.667 16.764,0.889 37.106,0.889 37.223,1.006 R23.1 37.223,5.368 Q6.3 ; NRF24L01.6 15.113,12.446 14.097,13.462 14.097,17.155 14.214,17.272 21.082,17.272 21.336,17.526 21.336,25.335 22.413,26.413 25.821,26.413 29.631,30.223 U1.23
SPI_SCK: NRF24L01.5 Q8.3 R25.1 U1.21 | length 66.2
  Top Layer w0.2: NRF24L01.5 15.151,14.402 16.256,13.297 16.256,3.096 18.082,1.27 33.401,1.27 33.655,1.524 Q8.3 ; v1(16.129,18.415) 19.431,18.415 20.066,19.05 20.066,26.173 21.456,27.562 25.784,27.562 28.829,30.607 28.829,35.179 28.631,35.377 U1.21
  Bottom Layer w0.2: NRF24L01.5 15.151,17.437 v1(16.129,18.415)
TCK: R7.1 SWD/JTAG.5 U1.49 | length 27.5
  Top Layer w0.3: SWD/JTAG.5 28.702,70.612 27.559,69.469 27.559,64.763 R7.1 27.806,62.999 28.448,62.357 30.861,62.357 v1(32.512,60.706) ; v1(32.512,59.563) 32.512,56.81 32.609,56.713 32.609,52.13 v1(33.05,51.689) ; U1.49 v1(34.131,50.006)
  Bottom Layer w0.3: v1(32.512,59.563) v1(32.512,60.706) ; v1(33.05,51.689) 33.147,51.689 34.131,50.705 v1(34.131,50.006)
TDI: R8.1 SWD/JTAG.3 U1.50 | length 24
  Top Layer w0.3: U1.50 v1(33.631,59.539) ; v1(33.655,60.579) 33.655,61.087 35.294,62.726 R8.1 35.179,64.647 35.179,69.342 SWD/JTAG.3
  Bottom Layer w0.3: v1(33.631,59.539) 33.655,59.563 v1(33.655,60.579)
TDO: R6.1 SWD/JTAG.7 U1.55 | length 30.7
  Top Layer w0.3: SWD/JTAG.7 23.876,70.612 24.892,69.596 24.892,66.421 24.13,65.659 24.13,64.596 R6.1 24.195,62.038 24.638,61.595 30.861,61.595 31.75,60.706 v1(31.75,60.452) ; U1.55 31.131,58.055 31.75,58.674 v1(31.75,59.055)
  Bottom Layer w0.3: v1(31.75,59.055) v1(31.75,60.452)
TMS: R10.2 SWD/JTAG.4 U1.46 | length 36.7
  Top Layer w0.3: SWD/JTAG.4 32.639,69.342 32.639,66.626 31.623,65.61 31.623,64.616 R10.2 31.523,62.584 33.02,61.087 v1(33.02,60.579) ; v1(33.02,59.563) 33.087,59.496 v1(33.087,52.451) ; v1(34.163,51.943) 37.973,51.943 40.259,49.657 40.259,45.466 39.742,44.949 U1.46
  Bottom Layer w0.3: v1(33.02,59.563) v1(33.02,60.579) ; v1(33.087,52.451) 33.147,52.451 33.655,51.943 v1(34.163,51.943)
TRST: R9.1 SWD/JTAG.2 U1.56 | length 30.3
  Top Layer w0.3: U1.56 30.631,58.612 32.116,60.097 36.983,60.097 39.033,62.147 R9.1 39.002,64.547 39.002,65.646 37.719,66.929 37.719,69.596 36.703,70.612 SWD/JTAG.2
UART_Rx: JDY-18.4 U1.43 | length 55.3
  Top Layer w0.3: U1.43 38.847,43.449 v1(38.862,43.434)
  Bottom Layer w0.3: v1(38.862,43.434) 38.862,41.529 38.1,40.767 38.1,30.48 42.926,25.654 55.753,25.654 59.817,21.59 59.817,10.844 59.641,10.668 57.023,10.668 JDY-18.4
UART_Tx: JDY-18.3 U1.42 | length 49.9
  Top Layer w0.3: U1.42 38.204,42.949 v1(38.227,42.926)
  Bottom Layer w0.3: v1(38.227,42.926) 38.354,42.799 38.354,41.91 37.592,41.148 37.592,29.972 42.799,24.765 55.245,24.765 58.801,21.209 58.801,13.638 58.625,13.462 57.023,13.462 JDY-18.3
USB_N: D4.1 U1.44 USB.2 | length 16.9
  Top Layer w0.279: U1.44@36.062,43.95 36.889,43.95 36.936,43.996 42.525,43.996 42.855,44.326 48.14,44.326 48.303,44.162 48.303,43.964 D4.1 48.725,43.964 48.725,44.162 48.888,44.326 50.449,44.326 50.474,44.35 50.906,44.35 51.103,44.153 USB.2
USB_P: D3.1 U1.45 USB.3 | length 16.9
  Top Layer w0.279: U1.45@36.062,44.448 36.889,44.448 36.936,44.402 42.357,44.402 42.687,44.731 48.14,44.731 48.303,44.895 48.303,45.093 D3.1 48.725,45.093 48.725,44.895 48.888,44.731 50.281,44.731 50.306,44.756 50.906,44.756 51.103,44.953 USB.3
Vibrator: D7.A Driver.4 R17.2 | length 6.4
  Top Layer w0.5: D7.A 54.864,25.986 54.864,28.018 55.626,28.78 Driver.4
  Bottom Layer w0.3: R17.2 52.858,29.083 Driver.4
pads on no net: "Power Options." Boot. JDY-18.5 SWD/JTAG.6 SWD/JTAG.9 U1.3 U1.4 U1.27 U1.28 U1.29 U1.33 U1.34 U1.35 U1.36 U1.41 U4.3 U7.4 U8.1 U8.2 U8.3 U8.4 U8.5 U8.6 U8.7 U8.11 U8.14 U8.15 U8.16 U8.17 U8.19 U8.21 USB. USB.4 USB.6 USB.7 USB.8 USB.9

## Polygon pours and split planes (outlines as drawn)
+3.3V_STM32 on Top Layer "+3.3V_STM32_L01_P001" (solid, pour order 2): -2.159,74.422 -4.572,72.009 -4.572,4.572 0,0 59.69,0 60.96,1.27 60.96,71.247 57.785,74.422
GND on Bottom Layer "+3.3V_STM32_L01_P001" (solid, pour order 3): -2.159,74.422 -4.572,72.009 -4.572,4.572 0,0 59.69,0 59.69,0.127 60.96,1.397 60.96,71.247 57.785,74.422

## Keep-outs
Keep-Out Layer:
  lines w0.254: -4.572,4.572 0,0 59.69,0 60.96,1.27 60.96,71.247 57.785,74.422 0.127,74.422 -2.159,74.422 -4.572,72.009 -4.572,4.572

## Silkscreen, mask and mechanical layers (free items; w line width, h text height)
Top Overlay:
  drawing of 19 lines, arcs and shapes, not listed
  text "Operate" at 0.889,72.495 h1.2
Bottom Overlay:
  drawing of 46 lines, arcs and shapes, not listed
  text "NRST" at 22.224,72.279 h1.2
  text "TDO" at 24.892,72.279 h1.2
  text "TCK" at 29.718,72.279 h1.2
  text "TMS" at 32.512,72.279 h1.2
  text "TRST" at 37.973,72.279 h1.2
  text "TDI" at 34.798,72.263 h1.2
  text "GND" at -1.398,64.913 h1.2
  text "PB6" at 8.255,64.912 h1.2
  text "GND" at -1.398,61.611 h1.2
  text "PB7" at 8.255,61.483 h1.2
  text "Battery" at 46.842,60.198 h1.2 r270
  text "GND" at -1.398,58.182 h1.2
  text "PB8" at 8.255,58.181 h1.2
  text "USB" at 46.879,55.626 h1.2 r270
  text "GND" at -1.398,54.88 h1.2
  text "PB9" at 8.255,54.752 h1.2
  text "PB5" at 13.462,47.894 h1.2
  text "PC13" at 17.018,47.895 h1.2
  text "PC0" at 17.018,45.355 h1.2
  text "PD2" at 13.462,45.339 h1.2
  text "PC12" at 13.462,42.815 h1.2
  text "PC1" at 17.018,42.815 h1.2
  text "PC11" at 13.462,40.275 h1.2
  text "PA0" at 17.018,40.274 h1.2
  text "PC10" at 13.462,37.735 h1.2
  text "PA1" at 17.018,37.719 h1.2
  text "Tx" at 59.69,12.954 h1.2
  text "Rx" at 59.69,10.414 h1.2

## Text inside footprints (layer, text, board x,y; h text height)
BT1: Top Overlay "+" at 51.803,69.157 h1.15 r180
U3: Top Overlay "*" at 42.355,54.356 h1.27 r180; Mechanical 13 "*" at 41.256,55.321 h1.27 r180
U5: Mechanical 13 "*" at 15.291,58.278 h1.27; Bottom Overlay "*" at 16.389,59.243 h1.27